# KiCad board Duet3_MB_6HC.kicad_pcb (continued)
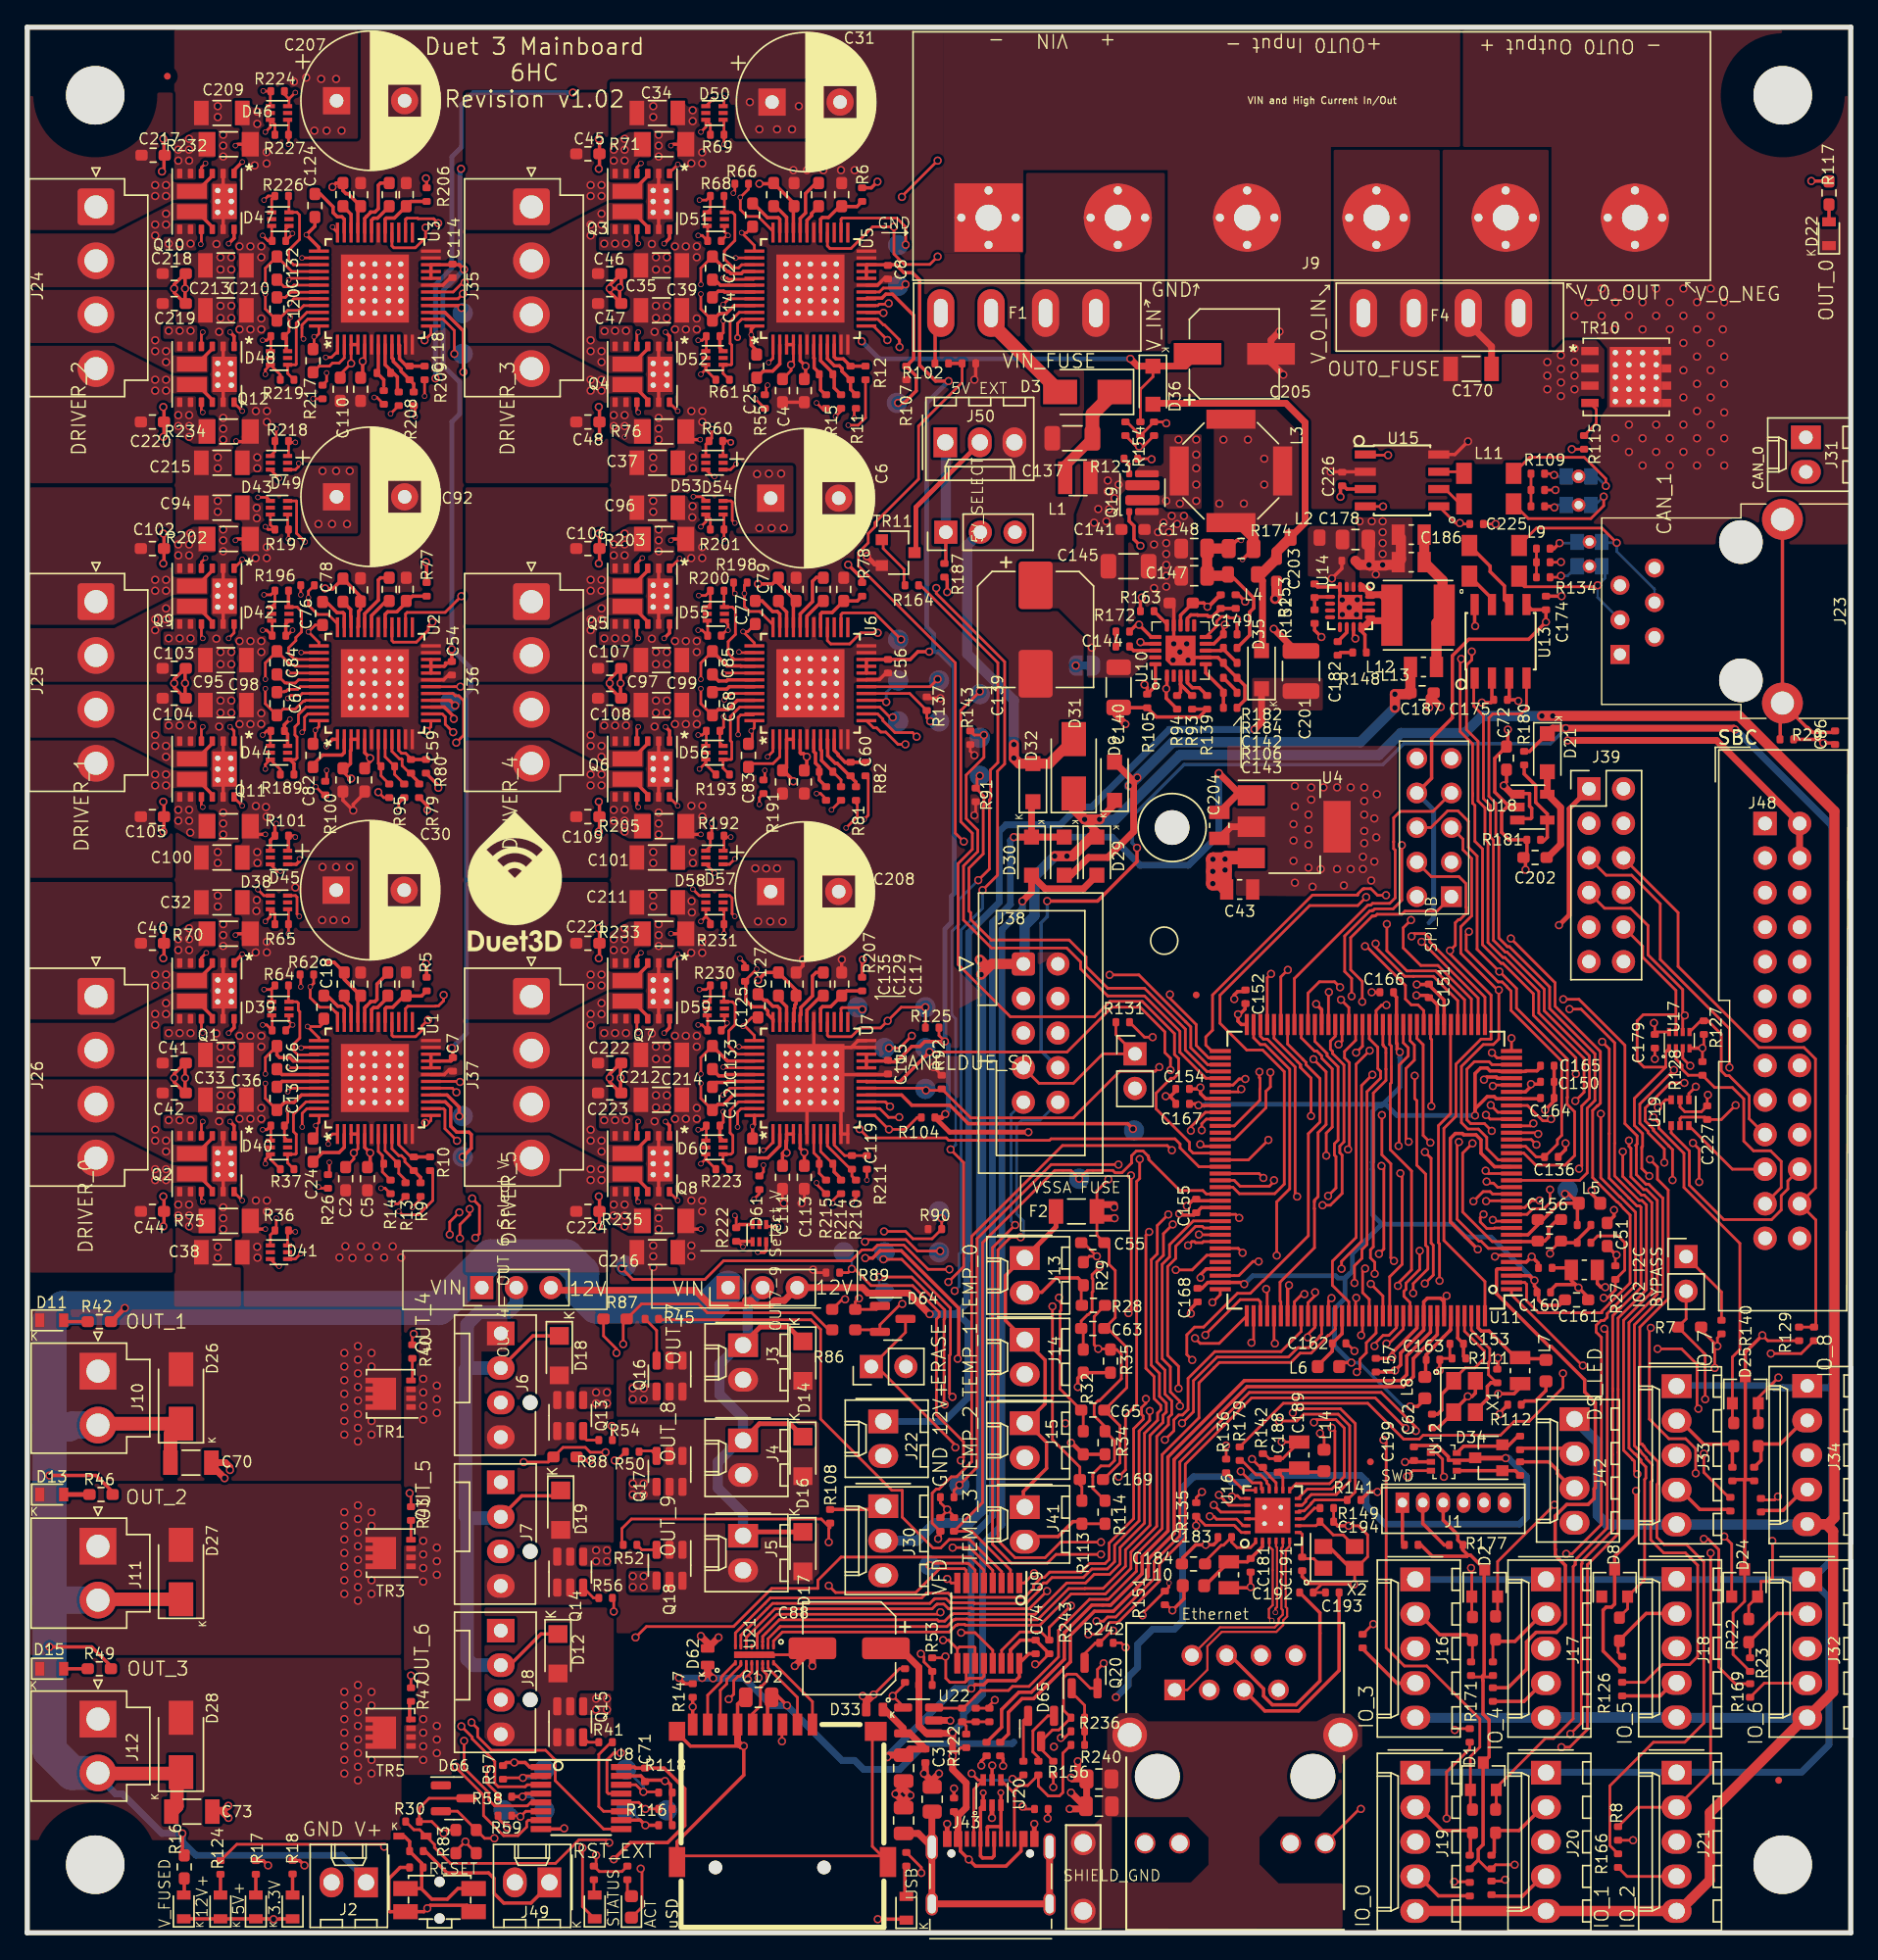
[diagram p0: board, top side]
## Nets (continued)
/Stepper Driver & Endstops/D2_CA1: C132.2 U3.42
/Stepper Driver & Endstops/D2_CA2: C124.2 U3.35
/Stepper Driver & Endstops/D2_CB1: C130.2 U3.2
/Stepper Driver & Endstops/D2_CB2: C120.2 U3.43
/Stepper Driver & Endstops/D2_CPI: C128.2 U3.31
/Stepper Driver & Endstops/D2_CPO: C128.1 U3.32
/Stepper Driver & Endstops/D2_HA1: D47.4 R225.1 U3.41
/Stepper Driver & Endstops/D2_HA2: D46.6 R224.1 U3.36
/Stepper Driver & Endstops/D2_HAG1: D47.3 Q10.12 R225.2
/Stepper Driver & Endstops/D2_HAG2: D46.1 Q10.1 R224.2
/Stepper Driver & Endstops/D2_HB1: D49.4 R217.1 U3.1
/Stepper Driver & Endstops/D2_HB2: D48.6 R216.1 U3.44
/Stepper Driver & Endstops/D2_HBG1: D49.3 Q12.12 R217.2
/Stepper Driver & Endstops/D2_HBG2: D48.1 Q12.1 R216.2
/Stepper Driver & Endstops/D2_LA1: D47.6 R226.1 U3.39
/Stepper Driver & Endstops/D2_LA2: D46.4 R227.1 U3.38
/Stepper Driver & Endstops/D2_LAG1: D47.1 Q10.9 R226.2
/Stepper Driver & Endstops/D2_LAG2: D46.3 Q10.4 R227.2
/Stepper Driver & Endstops/D2_LB1: D49.6 R218.1 U3.47
/Stepper Driver & Endstops/D2_LB2: D48.4 R219.1 U3.46
/Stepper Driver & Endstops/D2_LBG1: D49.1 Q12.9 R218.2
/Stepper Driver & Endstops/D2_LBG2: D48.3 Q12.4 R219.2
/Stepper Driver & Endstops/D2_SRAG: NT12.1 R213.2
/Stepper Driver & Endstops/D2_SRAH: C122.2 R212.1 U3.8
/Stepper Driver & Endstops/D2_SRAL: C122.1 R213.1 U3.7
/Stepper Driver & Endstops/D2_SRAT: Q10.5 Q10.6 Q10.7 Q10.8 R212.2 R232.2
/Stepper Driver & Endstops/D2_SRBG: NT14.1 R209.2
/Stepper Driver & Endstops/D2_SRBH: C118.2 R208.1 U3.9
/Stepper Driver & Endstops/D2_SRBL: C118.1 R209.1 U3.10
/Stepper Driver & Endstops/D2_SRBT: Q12.5 Q12.6 Q12.7 Q12.8 R208.2 R234.2
/Stepper Driver & Endstops/D2_VCC: C116.2 R206.2 U3.29
/Stepper Driver & Endstops/D2_VCP: C126.1 U3.34
/Stepper Driver & Endstops/D3_5VOUT: C6.2 R6.1 U5.5
/Stepper Driver & Endstops/D3__SRBL: C12.1 R12.1 U5.10
/Stepper Driver & Endstops/D3_CA1: C27.2 U5.42
/Stepper Driver & Endstops/D3_CA2: C19.2 U5.35
/Stepper Driver & Endstops/D3_CB1: C25.2 U5.2
/Stepper Driver & Endstops/D3_CB2: C14.2 U5.43
/Stepper Driver & Endstops/D3_CPI: C23.2 U5.31
/Stepper Driver & Endstops/D3_CPO: C23.1 U5.32
/Stepper Driver & Endstops/D3_HA1: D51.4 R67.1 U5.41
/Stepper Driver & Endstops/D3_HA2: D50.6 R66.1 U5.36
/Stepper Driver & Endstops/D3_HAG1: D51.3 Q3.12 R67.2
/Stepper Driver & Endstops/D3_HAG2: D50.1 Q3.1 R66.2
/Stepper Driver & Endstops/D3_HB1: D53.4 R55.1 U5.1
/Stepper Driver & Endstops/D3_HB2: D52.6 R38.1 U5.44
/Stepper Driver & Endstops/D3_HBG1: D53.3 Q4.12 R55.2
/Stepper Driver & Endstops/D3_HBG2: D52.1 Q4.1 R38.2
/Stepper Driver & Endstops/D3_LA1: D51.6 R68.1 U5.39
/Stepper Driver & Endstops/D3_LA2: D50.4 R69.1 U5.38
/Stepper Driver & Endstops/D3_LAG1: D51.1 Q3.9 R68.2
/Stepper Driver & Endstops/D3_LAG2: D50.3 Q3.4 R69.2
/Stepper Driver & Endstops/D3_LB1: D53.6 R60.1 U5.47
/Stepper Driver & Endstops/D3_LB2: D52.4 R61.1 U5.46
/Stepper Driver & Endstops/D3_LBG1: D53.1 Q4.9 R60.2
/Stepper Driver & Endstops/D3_LBG2: D52.3 Q4.4 R61.2
/Stepper Driver & Endstops/D3_SRAG: NT6.1 R19.2
/Stepper Driver & Endstops/D3_SRAH: C17.2 R15.1 U5.8
/Stepper Driver & Endstops/D3_SRAL: C17.1 R19.1 U5.7
/Stepper Driver & Endstops/D3_SRAT: Q3.5 Q3.6 Q3.7 Q3.8 R15.2 R71.2
/Stepper Driver & Endstops/D3_SRBG: NT8.1 R12.2
/Stepper Driver & Endstops/D3_SRBH: C12.2 R11.1 U5.9
/Stepper Driver & Endstops/D3_SRBT: Q4.5 Q4.6 Q4.7 Q4.8 R11.2 R76.2
/Stepper Driver & Endstops/D3_VCC: C10.2 R6.2 U5.29
/Stepper Driver & Endstops/D3_VCP: C21.1 U5.34
/Stepper Driver & Endstops/D4_5VOUT: C53.2 R78.1 U6.5
/Stepper Driver & Endstops/D4__HAG1: D55.3 Q5.12 R199.2
/Stepper Driver & Endstops/D4_CA1: C85.2 U6.42
/Stepper Driver & Endstops/D4_CA2: C77.2 U6.35
/Stepper Driver & Endstops/D4_CB1: C83.2 U6.2
/Stepper Driver & Endstops/D4_CB2: C68.2 U6.43
/Stepper Driver & Endstops/D4_CPI: C81.2 U6.31
/Stepper Driver & Endstops/D4_CPO: C81.1 U6.32
/Stepper Driver & Endstops/D4_HA1: D55.4 R199.1 U6.41
/Stepper Driver & Endstops/D4_HA2: D54.6 R198.1 U6.36
/Stepper Driver & Endstops/D4_HAG2: D54.1 Q5.1 R198.2
/Stepper Driver & Endstops/D4_HB1: D57.4 R191.1 U6.1
/Stepper Driver & Endstops/D4_HB2: D56.6 R190.1 U6.44
/Stepper Driver & Endstops/D4_HBG1: D57.3 Q6.12 R191.2
/Stepper Driver & Endstops/D4_HBG2: D56.1 Q6.1 R190.2
/Stepper Driver & Endstops/D4_LA1: D55.6 R200.1 U6.39
/Stepper Driver & Endstops/D4_LA2: D54.4 R201.1 U6.38
/Stepper Driver & Endstops/D4_LAG1: D55.1 Q5.9 R200.2
/Stepper Driver & Endstops/D4_LAG2: D54.3 Q5.4 R201.2
/Stepper Driver & Endstops/D4_LB1: D57.6 R192.1 U6.47
/Stepper Driver & Endstops/D4_LB2: D56.4 R193.1 U6.46
/Stepper Driver & Endstops/D4_LBG1: D57.1 Q6.9 R192.2
/Stepper Driver & Endstops/D4_LBG2: D56.3 Q6.4 R193.2
/Stepper Driver & Endstops/D4_SRAG: NT9.1 R98.2
/Stepper Driver & Endstops/D4_SRAH: C75.2 R97.1 U6.8
/Stepper Driver & Endstops/D4_SRAL: C75.1 R98.1 U6.7
/Stepper Driver & Endstops/D4_SRAT: Q5.5 Q5.6 Q5.7 Q5.8 R97.2 R203.2
/Stepper Driver & Endstops/D4_SRBG: NT10.1 R82.2
/Stepper Driver & Endstops/D4_SRBH: C60.2 R81.1 U6.9
/Stepper Driver & Endstops/D4_SRBL: C60.1 R82.1 U6.10
/Stepper Driver & Endstops/D4_SRBT: Q6.5 Q6.6 Q6.7 Q6.8 R81.2 R205.2
/Stepper Driver & Endstops/D4_VCC: C58.2 R78.2 U6.29
/Stepper Driver & Endstops/D4_VCP: C79.1 U6.34
/Stepper Driver & Endstops/D5_5VOUT: C113.2 R207.1 U7.5
/Stepper Driver & Endstops/D5_CA1: C133.2 U7.42
/Stepper Driver & Endstops/D5_CA2: C125.2 U7.35
/Stepper Driver & Endstops/D5_CB1: C131.2 U7.2
/Stepper Driver & Endstops/D5_CB2: C121.2 U7.43
/Stepper Driver & Endstops/D5_CPI: C129.2 U7.31
/Stepper Driver & Endstops/D5_CPO: C129.1 U7.32
/Stepper Driver & Endstops/D5_HA1: D59.4 R229.1 U7.41
/Stepper Driver & Endstops/D5_HA2: D58.6 R228.1 U7.36
/Stepper Driver & Endstops/D5_HAG1: D59.3 Q7.12 R229.2
/Stepper Driver & Endstops/D5_HAG2: D58.1 Q7.1 R228.2
/Stepper Driver & Endstops/D5_HB1: D61.4 R221.1 U7.1
/Stepper Driver & Endstops/D5_HB2: D60.6 R220.1 U7.44
/Stepper Driver & Endstops/D5_HBG1: D61.3 Q8.12 R221.2
/Stepper Driver & Endstops/D5_HBG2: D60.1 Q8.1 R220.2
/Stepper Driver & Endstops/D5_LA1: D59.6 R230.1 U7.39
/Stepper Driver & Endstops/D5_LA2: D58.4 R231.1 U7.38
/Stepper Driver & Endstops/D5_LAG1: D59.1 Q7.9 R230.2
/Stepper Driver & Endstops/D5_LAG2: D58.3 Q7.4 R231.2
/Stepper Driver & Endstops/D5_LB1: D61.6 R222.1 U7.47
/Stepper Driver & Endstops/D5_LB2: D60.4 R223.1 U7.46
/Stepper Driver & Endstops/D5_LBG1: D61.1 Q8.9 R222.2
/Stepper Driver & Endstops/D5_LBG2: D60.3 Q8.4 R223.2
/Stepper Driver & Endstops/D5_SRAG: NT11.1 R215.2
/Stepper Driver & Endstops/D5_SRAH: C123.2 R214.1 U7.8
/Stepper Driver & Endstops/D5_SRAL: C123.1 R215.1 U7.7
/Stepper Driver & Endstops/D5_SRAT: Q7.5 Q7.6 Q7.7 Q7.8 R214.2 R233.2
/Stepper Driver & Endstops/D5_SRBG: NT13.1 R211.2
/Stepper Driver & Endstops/D5_SRBH: C119.2 R210.1 U7.9
/Stepper Driver & Endstops/D5_SRBL: C119.1 R211.1 U7.10
/Stepper Driver & Endstops/D5_SRBT: Q8.5 Q8.6 Q8.7 Q8.8 R210.2 R235.2
/Stepper Driver & Endstops/D5_VCC: C117.2 R207.2 U7.29
/Stepper Driver & Endstops/D5_VCP: C127.1 U7.34
CAN0_H: J31.1 JP3.2 L11.3
CAN0_L: J31.2 JP6.2 L11.2
CAN1_H: J23.3 JP8.2 L9.2
CAN1_L: J23.4 JP7.2 L9.3
CANRX0: U11.31 U15.4
CANRX1: U11.17 U13.4
CANTX0: U11.26 U15.1
CANTX1: U11.92 U13.1
CC1: J43.A5 R183.2 R238.2 U20.6
CC2: J43.B5 R144.2 R240.2 U20.4
DN: J43.A7 J43.B7 R121.1 U20.1
DP: J43.A6 J43.B6 R120.1 U20.3
DRIVER_0_A1: C26.1 C41.2 J26.2 Q1.10 Q1.15 U1.40
DRIVER_0_A2: C18.1 C40.2 J26.1 Q1.3 Q1.13 U1.37
DRIVER_0_B1: C24.1 C44.2 J26.4 Q2.10 Q2.15 U1.48
DRIVER_0_B2: C13.1 C42.2 J26.3 Q2.3 Q2.13 U1.45
DRIVER_0_DIAG0: TP3.1 U1.26 U11.108
DRIVER_0_DIR: TP2.1 U1.18 U11.109
DRIVER_0_SDO: TP18.1 U1.16 U2.15
DRIVER_0_STEP: R89.1 TP1.1 U1.17 U11.111
DRIVER_1_A1: C84.1 C103.2 J25.2 Q9.10 Q9.15 U2.40
DRIVER_1_A2: C76.1 C102.2 J25.1 Q9.3 Q9.13 U2.37
DRIVER_1_B1: C82.1 C105.2 J25.4 Q11.10 Q11.15 U2.48
DRIVER_1_B2: C67.1 C104.2 J25.3 Q11.3 Q11.13 U2.45
DRIVER_1_DIAG0: TP6.1 U2.26 U11.103
DRIVER_1_DIR: TP5.1 U2.18 U11.101
DRIVER_1_SDO: TP19.1 U2.16 U3.15
DRIVER_1_STEP: R90.1 TP4.1 U2.17 U11.100
DRIVER_2_A1: C132.1 C218.2 J24.2 Q10.10 Q10.15 U3.40
DRIVER_2_A2: C124.1 C217.2 J24.1 Q10.3 Q10.13 U3.37
DRIVER_2_B1: C130.1 C220.2 J24.4 Q12.10 Q12.15 U3.48
DRIVER_2_B2: C120.1 C219.2 J24.3 Q12.3 Q12.13 U3.45
DRIVER_2_DIAG0: TP29.1 U3.26 U11.88
DRIVER_2_DIR: R143.2 TP28.1 U3.18 U11.77
DRIVER_2_SDO: TP20.1 U3.16 U5.15
DRIVER_2_STEP: R91.1 TP17.1 U3.17 U11.76
DRIVER_3_A1: C27.1 C46.2 J35.2 Q3.10 Q3.15 U5.40
DRIVER_3_A2: C19.1 C45.2 J35.1 Q3.3 Q3.13 U5.37
DRIVER_3_B1: C25.1 C48.2 J35.4 Q4.10 Q4.15 U5.48
DRIVER_3_B2: C14.1 C47.2 J35.3 Q4.3 Q4.13 U5.45
DRIVER_3_DIAG0: TP32.1 U5.26 U11.39
DRIVER_3_DIR: TP31.1 U5.18 U11.37
DRIVER_3_SDO: TP21.1 U5.16 U6.15
DRIVER_3_STEP: R107.1 TP30.1 U5.17 U11.38
DRIVER_4_A1: C85.1 C107.2 J36.2 Q5.10 Q5.15 U6.40
DRIVER_4_A2: C77.1 C106.2 J36.1 Q5.3 Q5.13 U6.37
DRIVER_4_B1: C83.1 C109.2 J36.4 Q6.10 Q6.15 U6.48
DRIVER_4_B2: C68.1 C108.2 J36.3 Q6.3 Q6.13 U6.45
DRIVER_4_DIAG0: TP35.1 U6.26 U11.2
DRIVER_4_DIR: TP34.1 U6.18 U11.40
DRIVER_4_SDO: TP22.1 U6.16 U7.15
DRIVER_4_STEP: R137.1 TP33.1 U6.17 U11.41
DRIVER_5_A1: C133.1 C222.2 J37.2 Q7.10 Q7.15 U7.40
DRIVER_5_A2: C125.1 C221.2 J37.1 Q7.3 Q7.13 U7.37
DRIVER_5_B1: C131.1 C224.2 J37.4 Q8.10 Q8.15 U7.48
DRIVER_5_B2: C121.1 C223.2 J37.3 Q8.3 Q8.13 U7.45
DRIVER_5_DIAG0: TP38.1 U7.26 U11.90
DRIVER_5_DIR: TP37.1 U7.18 U11.84
DRIVER_5_STEP: R92.1 TP36.1 U7.17 U11.86
DRIVER_CS: R104.1 TP24.1 U1.13 U2.13 U3.13 U5.13 U6.13 U7.13 U11.74
DRIVER_ENN: R125.1 TP23.1 U1.28 U2.28 U3.28 U5.28 U6.28 U7.28 U11.75
DS_LED_CK_BUFF: J42.3 R185.1
DS_LED_DO_BUFF: J42.2 R186.1
ERASE: JP2.2 U11.87
ESP_DATA_RDY: J39.8 U11.93
ESP_EN: J39.10 U11.97 U17.1 U17.7
GMDC: U11.113 U16.11
GMDIO: R141.2 U11.110 U16.10
GRX0: U11.125 U16.13
GRX1: U11.121 U16.12
GRXDV: R142.1 U11.126 U16.15
GRXER: U11.119 U16.17
GTX0: U11.131 U16.20
GTX1: U11.128 U16.21
GTXCK: R179.1 U11.1
GTXEN: U11.132 U16.19
HSDM: R121.2 U11.136
HSDP: R120.2 U11.137
IO_0: D1.1 R1.1 U11.52
IO_0_IN: J19.2 J38.9 R1.2 R2.1
IO_0_OUT: J19.4 J38.10 R168.2
IO_1: D1.2 R3.1 U11.106
IO_1_IN: J20.2 R3.2 R4.1
IO_1_OUT: J20.4 R170.2
IO_2: D24.1 R7.1 R140.2 U11.71
IO_2_IN: J21.2 JP5.2 R7.2 R8.1
IO_2_OUT: J21.4 R166.2
IO_3: D2.1 R157.1 U11.28
IO_3_IN: J16.2 R157.2 R158.1
IO_3_OUT: J16.4 R165.2
IO_4: D2.2 R159.1 U11.34
IO_4_IN: J17.2 R159.2 R160.1
IO_4_OUT: J17.4 R171.1
IO_5: D8.2 R161.1 U11.23
IO_5_IN: J18.2 R161.2 R162.1
IO_5_OUT: J18.4 R126.2
IO_6: D24.2 R22.1 U11.24
IO_6_IN: J32.2 R22.2 R23.1
IO_6_OUT: J32.4 R169.2
IO_7: D25.1 R24.1 U11.25
IO_7_IN: J33.2 R24.2 R72.1
IO_7_OUT: J33.4 R173.1
IO_8: D25.2 R73.1 U11.10
IO_8_IN: J34.2 R73.2 R74.1
IO_8_OUT: J34.4 R167.2
MCCDA: U11.112 U21.6
MCCK: U11.59 U21.3
MCDA0: U11.116 U21.7
MCDA1: U11.118 U21.8
MCDA2: U11.62 U21.1
MCDA3: U11.70 U21.2
O4_TACHO: D64.2 R86.2 U11.48
O5_TACHO: D64.1 R85.2 U11.57
O6_TACHO: D66.2 R84.2 U11.99
OUT_0: R53.2 U9.10 U9.12 U11.35
OUT_0_BUFF: R115.2 U9.9 U9.11
OUT_0_NEG: D22.1 J9.6 TR10.5
OUT_1: R57.2 TP8.1 U8.2 U11.56
OUT_1_BUFF: R40.2 U8.3
OUT_1_NEG: D11.1 D26.2 J10.1 TR1.5
OUT_2: R58.2 TP9.1 U8.4 U11.45
OUT_2_BUFF: R43.2 U8.5
OUT_2_NEG: D13.1 D27.2 J11.1 TR3.5
OUT_3: R59.2 TP10.1 U8.6 U11.64
OUT_3_BUFF: R47.2 U8.7
OUT_3_NEG: D15.1 D28.2 J12.1 TR5.5
OUT_4: R39.2 TP11.1 U8.10 U11.49
OUT_4_BUFF: R54.2 U8.9
OUT_4_NEG: D18.2 J6.4 Q13.1 Q13.2 Q13.5 Q13.6
OUT_4_TACHO: J6.3 R86.1 R87.1
OUT_5: R118.2 TP12.1 U8.14 U11.58
OUT_5_BUFF: R56.2 U8.13
OUT_5_NEG: D19.2 J7.4 Q14.1 Q14.2 Q14.5 Q14.6
OUT_5_TACHO: J7.3 R85.1 R88.1
OUT_6: R116.2 TP13.1 U8.12 U11.36
OUT_6_BUFF: R41.2 U8.11
OUT_6_NEG: D12.2 J8.4 Q15.1 Q15.2 Q15.5 Q15.6
OUT_6_TACHO: J8.3 R83.1 R84.1
OUT_7: R44.2 TP14.1 U9.2 U11.94
OUT_7_BUFF: R45.2 U9.3
OUT_7_NEG: D14.2 J3.2 Q16.1 Q16.2 Q16.5 Q16.6
OUT_8: R48.2 TP15.1 U9.4 U11.82
OUT_8_BUFF: R50.2 U9.5
OUT_8_NEG: D16.2 J4.2 Q17.1 Q17.2 Q17.5 Q17.6
OUT_9: R51.2 TP16.1 U9.6 U11.68
OUT_9_BUFF: R52.2 R108.1 U9.7
OUT_9_NEG: D17.2 J5.2 Q18.1 Q18.2 Q18.5 Q18.6
PD_SD_CD: J38.7 JP4.1 R131.2 U11.55
PHY_RESET: J46.12 R135.1 U11.98 U16.24
PS_ON: R243.2 U9.14 U11.66
PS_ON_BUFF: R164.2 U9.13
PS_ON_SW: J50.2 TR11.3
QMOSI: U11.42 U12.1
QSCK: U11.51 U12.3
RESET: D20.2 J1.4 J1.5 R30.1 U11.83
RESET_EXT: J49.1 R31.1
RXD0: J28.6 J38.6 U11.21
RXD1: TP25.1 U7.16 U11.32
SBC_3.3V: C227.1 J48.17 U19.5
SCK0: J28.4 J38.4 U11.144
SCK1: TP27.1 U1.14 U2.14 U3.14 U5.14 U6.14 U7.14 U11.46
SD_CD: U11.129 U21.4
SPI1_DATA_RDY: J39.4 U11.7 U19.3
SPI1_DATA_RDY_BUFF: J48.22 U19.4
SPI1_MISO: J39.5 U11.13 U19.1
SPI1_MISO_BUFF: J48.21 U19.6
SPI1_MOSI: J48.19 R127.1 U17.5
SPI1_MOSI_BUFF: J39.3 U11.12 U17.3
SPI1_NPCS0: J39.6 J48.24 R129.2 R239.1
SPI1_SPCK: J48.23 R128.1 U17.2
SPI1_SPCK_BUFF: J39.7 U11.130 U17.6
spi1cs0: R239.2 U11.133
SWCLK: D63.1 J1.2 R177.1 U11.89
SWDIO: D7.1 J1.1 R178.1 U11.79
TEMP_0: C55.1 R29.2 U11.18
TEMP_1: C63.1 R32.2 U11.16
TEMP_2: C65.1 R33.2 U11.15
TEMP_3: C169.1 R113.2 U11.14
THERMISTOR_0: J13.2 R28.2 R29.1
THERMISTOR_1: J14.2 R32.1 R35.2
THERMISTOR_2: J15.2 R33.1 R34.2
THERMISTOR_3: J41.2 R113.1 R114.2
TXD0: J28.5 J38.5 U11.20
TXD1: TP26.1 U1.15 U11.105
U0_CS0: J28.3 U11.73
U0_CS1: J28.1 U11.114
U0_CS2: J28.7 U11.65
U0_CS3: J28.9 U11.124
U0_CS4: J38.3 U11.60
URXD4: J39.11 U11.69
USB_PWR_EN: R138.1 U11.54 U22.4
USB_STATE: D65.3 Q20.2 R236.1 R241.1 U11.120
USB_UFP_DETECT: Q20.3 R242.1 U11.117
UTXD4: J39.9 U11.67
V_FUSED: C20.2 C21.2 C28.1 C29.1 C30.1 C31.1 C32.2 C33.2 C34.2 C35.2 C36.2 C37.2 C38.2 C39.2 C70.1 C73.1 C78.2 C79.2 C87.1 C91.1 C92.1 C93.1 C94.2 C95.2 C96.2 C97.2 C98.2 C99.2 C100.2 C101.2 C126.2 C127.2 C134.1 C135.1 C207.1 C208.1 C209.2 C210.2 C211.2 C212.2 C213.2 C214.2 C215.2 C216.2 D3.2 D26.1 D27.1 D28.1 F1.1 J2.1 J10.2 J11.2 J12.2 J29.1 J52.1 Q1.2 Q1.11 Q1.14 Q2.2 Q2.11 Q2.14 Q3.2 Q3.11 Q3.14 Q4.2 Q4.11 Q4.14 Q5.2 Q5.11 Q5.14 Q6.2 Q6.11 Q6.14 Q7.2 Q7.11 Q7.14 Q8.2 Q8.11 Q8.14 Q9.2 Q9.11 Q9.14 Q10.2 Q10.11 Q10.14 Q11.2 Q11.11 Q11.14 Q12.2 Q12.11 Q12.14 R16.1 R42.2 R46.2 R49.2 R102.1 U1.33 U2.33 U3.33 U5.33 U6.33 U7.33
V_IN: F1.2 J9.2
V_OUT0_IN: F4.1 J9.4
V_OUT0_OUT: C170.1 F4.2 J9.5 R117.2
V_OUTLC1: D12.1 D18.1 D19.1 J6.2 J7.2 J8.2 J52.2
V_OUTLC2: D14.1 D16.1 D17.1 J3.1 J4.1 J5.1 J29.2
VREF_MON: C200.1 R28.1 R34.1 R35.1 R114.1 R175.2 R176.1 U11.11
VREFN: C55.2 C63.2 C65.2 C156.2 C169.2 C200.2 F2.2 NT1.1 NT2.1 U11.8
VREFP: C156.1 L5.2 R175.1 TP39.1 U11.9
~{FLG}: R244.2 U11.122 U22.3
Net-(C144-Pad2): C144.2 R172.1
Net-(C182-Pad1): C182.1 R148.1
Net-(C192-Pad1): C192.1 J46.4
Net-(C193-Pad1): C193.1 J46.5
Net-(D4-Pad2): D4.2 R16.2
Net-(D5-Pad2): D5.2 R17.2
Net-(D6-Pad2): D6.2 R18.2
Net-(D7-Pad2): D7.2 R21.2
Net-(D11-Pad2): D11.2 R42.1
Net-(D13-Pad2): D13.2 R46.1
Net-(D15-Pad2): D15.2 R49.1
Net-(D22-Pad2): D22.2 R117.1
Net-(D23-Pad2): D23.2 R130.2
Net-(D37-Pad2): D37.2 R124.2
Net-(D63-Pad2): D63.2 R132.2
Net-(JP5-Pad1): JP5.1 R140.1
Net-(L7-Pad2): L7.2 R112.2
Net-(R136-Pad2): R136.2 U16.18

Pads without a net: D8 1; D38 2 5; D39 2 5; D40 2 5; D41 2 5; D42 2 5; D43 2 5; D44 2 5; D45 2 5; D46 2 5; D47 2 5; D48 2 5; D49 2 5; D50 2 5; D51 2 5; D52 2 5; D53 2 5; D54 2 5; D55 2 5; D56 2 5; D57 2 5; D58 2 5; D59 2 5; D60 2 5; D61 2 5; D66 1; J23 1 2 5 6; J28 10; J43 A8 B8; J46 7; J48 1 3 5 7 8 10 11 12 13 15 16 18 26; U1 25 27; U2 25 27; U3 25 27; U5 25 27; U6 25 27; U7 25 27; U10 2 5 11; U14 6 7 8 9; U21 5

## Via types
v1: diameter 0.6, hole 0.4, Top to Bottom, 1418 vias
v2: diameter 0.4, hole 0.3, Top to Bottom, 246 vias
v3: diameter 0.5, hole 0.3, Top to Bottom, 4 vias

## Routing (per net, layer and track width the routed paths; a pad name or vN(x,y) marks a point on that pad's centre or on a via; arc(x,y) is an arc through that point)
3.3V_EXT: length 225.9
  Top w0.25: v1(81.55,79.71) 81.55,78.7 78.65,75.8 v1(74.95,75.8) ; R180.1 110.4,86.8 D21.1
  Top w0.5: v1(125.5,88.4) 125.4,88.5 112.1,88.5 D21.1
  Bottom w0.25: v1(113.06,88.5) 111.93,87.37 101.16,87.37 99.61,85.82 85.01,85.82 81.2,82.01 81.2,80.06 v1(81.55,79.71) ; v1(74.95,75.8) 74.95,74.66 74.5,74.21 74.5,64.8 J38.8
  Bottom w0.5: 130.8,26 131.2,26 132.6,27.4 132.6,40.2 ; 130.8,26 131.03,26 132.4,24.63 132.4,13.82 130.38,11.8 102,11.8 ; 130.8,26 130.75,25.95 102.05,25.95 102,26 ; 132.6,40.2 132.45,40.05 129.02,40.05 129.02,40.04 128.37,40.04 128.21,40.2 121.2,40.2 ; 132.6,40.2 132.6,81.34 125.54,88.4 v1(125.5,88.4)
5V_EXT: length 337.5
  Top w0.25: R187.1 67.6,99.4 v1(67.6,98.5)
  Top w0.5: 130.8,15.97 123.65,8.82 ; 76.9,82.6 78.6,80.9 D29.1 ; D9.1 79.9,82.9 v1(78.8,81.8) ; v1(111.3,89.4) v1(112.1,89.4)
  Top w0.75: v1(78.8,81.8) v1(77.7,81.8) 76.9,82.6 D31.1 ; D29.1 78.2,80.5 76.8,79.1 v1(75.5,79.1) ; v1(111.3,89.4) 125.79,89.4 132.8,82.39 132.8,30.5 132.32,30.02 J34.5 132.18,30.02 132.7,29.5 132.7,17.7 J32.5 130.63,15.8 123.65,8.82 123.65,3.86 121.39,1.6 J21.5 J20.5 J19.5 ; 70.32,71.18 v1(70,71.5) ; J38.1 70.88,71.18 v1(70.1,70.4)
  In1.Cu w0.25: v1(77.7,81.8) 73.2,81.8 71.6,83.4 71.6,94.5 v1(67.6,98.5)
  Bottom w0.35: v1(70.1,70.4) 70.1,71.4
  Bottom w0.5: v1(111.3,89.4) 106.9,89.4
  Bottom w0.75: v1(112.1,89.4) 106.9,89.4 105.65,88.15 100.95,88.15 99.32,86.52 84.7,86.52 79.95,81.77 77.73,81.77 v1(77.7,81.8) ; J16.5 J17.5 111.62,15.82 J18.5 121.22,15.8 J32.5 ; J42.1 115.4,36.04 115.4,30.7 116.1,30 J33.5 130.78,30 J34.5 ; J30.2 65.4,28.8 66.7,30.1 69.2,30.1 70.1,31 70.1,71.4 v1(70,71.5) ; J38.1 73.3,71.28 73.3,74 74.02,74.72 74.02,77.62 v1(75.5,79.1) v1(76.4,79.1)
5V_EXT_INPUT: length 9
  Top w0.25: R187.2 67.5,100.7 JP9.1
  Bottom w0.75: J50.1 67.5,109.46 JP9.1
5V_INT: length 326.2
  Top w0.25: U15.3 96.97,106.07 96.62,106.42 ; U13.3 108.9,90.84 108.65,90.59 ; v1(109.57,90.5) 109.48,90.59 C175.1 ; 109.5,83.7 110.4,83.7 110.4,82.77 110.55,82.61 110.55,81.92 110.48,81.85 109.7,81.85 ; C199.1 102,35.8 103.6,35.8 104.43,34.97 104.43,34.72 106.22,34.72 D34.3 ; v1(43.1,5.4) 44.32,6.62 47.06,6.62 48.32,7.88 48.32,10.58 46.8,12.1 44.7,12.1 44.62,12.18 U8.16 ; v1(96.5,105.5) 96.5,106.18 C226.1 ; C74.1 73.6,20.5 U9.16 72.9,18.8 72.62,18.52 70.58,18.52 70.28,18.22 69.65,18.22 v1(69.37,17.95) ; v1(95.1,95.2) 94.6,95.7 R152.1 ; v1(17.7,4.95) 17.69,4.95 17.35,5.28 16.8,5.28 ; C72.1 108.7,84.55 108.46,84.31 108.48,84.29 v1(108.5,84.29)
  Top w0.35: v1(108.64,34.87) 106.43,34.87 D34.3
  Top w0.5: 73.8,82.8 D30.1 ; D30.1 v1(72.5,80.5) ; D30.1 D10.1 ; v1(87.56,85.2) 89.2,83.56 U4.1 88.84,83.56 C204.1 ; D33.1 63,16.4 64.36,15.04 U22.5 64.85,14.65 C3.1 64.85,13.5 C1.1 63.35,13.05 v1(63.2,12.9) ; 108.46,84.31 109.07,83.7 109.5,83.7
  In1.Cu w0.2: 106.4,88.19 108.71,90.5 v1(109.57,90.5)
  In1.Cu w0.25: v1(43.1,5.4) 42.55,4.85 41.51,4.85 41.21,5.15 21.45,5.15 20.63,4.33 18.32,4.33 v1(17.7,4.95)
  In1.Cu w0.5: 91.29,87.31 92.18,88.19 106.4,88.19 108.28,86.31 108.28,84.51 v1(108.5,84.29) ; 91.29,87.31 91.41,87.31 95.1,91 v1(95.1,95.2) 94.8,95.5 94.8,103.8 v1(96.5,105.5) ; 91.29,87.31 91.21,87.31 89.1,85.2 v1(87.56,85.2) ; v1(43.1,5.4) 44.7,3.8 54.1,3.8 v1(63.2,12.9) 64.2,13.9 70.9,13.9 74.3,17.3 v1(80,17.3)
  Bottom w0.5: v1(80,17.3) 80.9,18.2 80.9,18.8 81.6,19.5 81.6,21.2 82.7,22.3 84.3,22.3 84.9,22.9 84.9,32.7 85.7,33.5 88.1,33.5 88.5,33.1 89.6,33.1 90.1,33.6 98,33.6 98.4,33.2 98.4,31.4 99.77,30.03 109.67,30.03 110.16,30.52 110.16,33.55 108.84,34.87 v1(108.64,34.87) ; v1(63.2,12.9) 63.2,12.96 68.19,17.95 v1(69.37,17.95) 69.37,29.07 70.92,30.62 70.92,74.22 72.25,75.55 72.25,80.25 v1(72.5,80.5) 79.7,80.5 81.77,78.43 85.33,78.43 87.56,80.66 v1(87.56,85.2)
5V_SBC: length 85.9
  Top w0.5: J48.4 J48.2 124.14,87.6 v1(113.2,87.6)
  In1.Cu w0.5: v1(113.2,87.6) 113.2,87.1 109.6,83.5 107.96,83.5 106.19,85.27 106.19,86.97 105.67,87.49 92.59,87.49 89.57,84.47 87.89,84.47 87.87,84.45 87.25,84.45 87.23,84.47 82.87,84.47 81.5,83.1 77.9,83.1 72.58,88.42 JP9.3
12V_EXT: length 109.6
  Top w0.5: v1(66.31,45.45) 64.76,47 61.78,47 61.38,47.4 J29.3 55.63,46.45 54.93,46.45 54.58,46.1 53.5,46.1 53.15,46.45 52.8,46.45 52.8,46.1 50.2,46.1 49.1,47.2 38.68,47.2 J52.3 ; D35.1 90.7,88.93 v1(90.19,88.41)
  Bottom w0.5: v1(90.19,88.41) 83.91,88.41 78.2,82.7 77.2,82.7 75.9,81.4 71.92,81.4 71.43,80.91 71.43,75.72 69.18,73.46 69.18,49.54 69.04,49.4 69.04,46.25 68.24,45.45 v1(66.31,45.45) 68.42,45.45 69.12,44.75 69.12,39.3 67.39,37.57 62.8,37.57
12V_INT: length 30.3
  Top w0.5: 93,102.7 93.9,103.6 93.9,110.96 92.49,112.37 82.72,112.37 ; 90.4,99.7 90.77,99.33 90.77,94.27 D35.2
  Top w0.75: L4.1 90.65,99.8 ; 90.36,99.74 90.4,99.7 90.55,99.7 C203.2 91.8,101.46 L2.2
12V_MON: length 90.5
  Top w0.2: v1(107.54,60.81) 108.07,60.28 U11.27 ; v1(83.7,110.9) 83.6,111 C206.1 R154.2 80.8,111 R155.1
  In1.Cu w0.2: v1(107.54,60.81) 109.89,60.81 111.48,62.4 114.65,62.4 118.6,66.35 118.6,77 117.9,77.7 116.93,77.7 115.91,78.72 115.91,79.45 115.24,80.12 114.35,80.12 113.22,81.25 113.22,84.85 114.35,85.98 114.35,95.45 97,112.8 85.6,112.8 v1(83.7,110.9)
12V_VG: length 367.4
  Top w0.2: U5.4 56.3,115.37 v1(56.13,115.2) 56.13,114.78 C4.2 ; C2.2 24,56.85 v1(24,57.3) 24.3,57.6 U1.4 ; U3.3 v1(23.8,115.3) 23.05,114.55 23,114.55 ; R154.1 81.8,113.4 82.72,114.32 D36.1 ; v1(26.23,6.32) 26.06,6.5 15.4,6.5 R124.1 ; 55.8,85.1 v1(56.3,84.6) 56.3,84.7 55.6,85.4 ; v1(23.8,84.8) 23.7,84.8 23.2,85.3 23.2,85.35 ; U7.3 v1(55.8,57.31)
  Top w0.25: U5.3 U5.4 ; U2.4 U2.3 23.8,86.9 23.75,86.85 23.75,85.9 23.2,85.35 ; U3.3 U3.4 ; U1.4 U1.3 ; U7.4 U7.3 55.8,58.2 55.75,58.15 55.75,57.52 55.5,57.27 C111.2 ; U6.4 U6.3 55.8,85.6 55.6,85.4
  Top w0.5: v1(81.06,115.64) 81.6,115.1 85.1,115.1 C205.1
  In1.Cu w0.2: v1(26.23,6.32) 26.23,47.03 28.8,49.6 28.8,58.1 27.84,59.06 25.82,57.04 25.82,57.04 25.46,56.68 24.62,56.68 v1(24,57.3) ; 30.2,85.1 30.8,84.5 ; 30.2,85.1 29.6,84.5 24.1,84.5 v1(23.8,84.8) ; 30.2,85.1 28.67,86.63 28.67,88.6 28.67,88.61 28.67,98.88 ; v1(61.32,116.93) 58.87,114.48 56.85,114.48 v1(56.13,115.2) ; v1(23.8,115.3) 24.9,114.2 v1(30,114.2) ; 61.83,88.63 57.8,84.6 v1(56.3,84.6)
  In1.Cu w0.35: v1(55.8,57.31) 56.71,56.4 57.3,56.4 58.96,58.06 61.14,58.06 62.15,59.08 62.15,73.05 63.31,74.21 63.31,86.19 62.7,86.8 62.7,87.7 61.78,88.62 61.78,94.32 61.28,94.83 61.28,96.4 61.78,96.91 61.78,99.91 61,100.7 61,101.5 61.7,102.2 61.7,116.55 v1(61.32,116.93) 61.32,126.2 63.42,128.31 63.42,135.28 62.7,136 40.9,136 v1(40.1,135.2) ; 28.22,68.72 28.22,66.78 29.27,65.73 29.27,60.49 27.84,59.06 ; 28.3,68.8 30.88,71.38 30.88,84.42 28.67,86.63 28.67,98.88 31.1,101.31 31.1,113.1 v1(30,114.2)
  Bottom w0.35: v1(30,114.2) 30,121.1 31.2,122.3 31.2,130.48 31.91,131.19 31.91,134.31 32.8,135.2 v1(40.1,135.2) ; v1(61.32,116.93) 62.61,115.64 v1(81.06,115.64)
+3.3V: length 597.5
  Top w0.2: v1(73.14,9.27) 73.32,9.09 R150.1 ; U17.8 119.78,66.18 C179.1 119.6,66.78 v1(119.53,66.85) ; 107.7,18.8 107.02,18.8 106.95,18.87 106.88,18.8 106.1,18.8 ; R8.2 v1(118,6.8) ; 103.72,104.8 104.95,103.57 v1(105.27,103.57) 105.35,103.5 C225.1 ; v1(95,36.7) 95.3,36.4 95.3,35.55 ; R88.2 40.64,34.69 v1(41.37,34.69) ; R125.2 67,65.92 v1(67.43,65.49) ; R83.2 30.85,7.55 v1(30.6,7.3) 29.73,8.17 R30.2 28.81,9.16 29.53,9.88 D66.3 ; R132.1 43.7,4.5 42.04,4.5 R21.1 41.8,5.06 v1(41.8,5.7) ; R151.1 83.74,24.1 v1(84.15,23.69) ; R87.2 42.35,43.85 43.3,42.9 v1(43.3,42.6) ; R136.1 v1(88.1,35.8) ; D64.3 64.54,44.11 JP2.1 62.43,41.6 68.2,35.83 v1(68.2,35.66) ; D24.3 126.2,24.35 125.35,23.5 125.35,20.45 R23.2 ; v1(127.5,43.9) 127.9,43.5 R129.1 ; 106.62,5.35 107.27,4.7 R4.2 107.9,5 v1(109.3,5) ; v1(52.96,18.59) 52.96,18.87 53.24,19.15 U21.12 ; v1(82.7,65.8) 82.1,65.8 R131.1
  Top w0.25: U1.21 U1.22 ; U1.21 31.14,64.05 31.28,64.19 31.28,64.92 v1(31.2,65) ; U1.21 U1.20 ; U3.20 U3.21 U3.22 31.75,122.55 v1(32.1,122.2) ; U2.21 30.65,93.05 30.74,93.14 30.74,93.29 31.2,93.29 v1(31.2,94.3) ; U2.21 U2.22 ; U2.21 U2.20 ; U5.20 U5.21 U5.22 63.84,122.55 64.43,121.96 65.06,121.96 65.58,121.43 65.58,115.17 66.75,114 v1(67.7,114) ; U7.21 63.19,64.05 63.25,63.99 63.86,63.99 65,65.13 65.6,65.13 65.96,65.49 v1(67.43,65.49) ; U7.20 U7.22 ; U6.20 U6.21 U6.22 64.88,93.55 65.45,94.12 v1(66.28,94.12) ; 85.29,62 86.1,62 v1(86.21,62.1) 86.21,61.67 86.59,61.28 U11.80 ; U11.72 89.22,66.73 88.97,66.98 v1(88.97,67.48) 89.1,67.48 89.49,67.87 89.49,68.41 ; 106.95,18.62 106.95,18.87 107.06,18.98 107.06,26.66 D2.3 106.06,27.74 105.88,27.74 ; 126.2,33.3 126.25,33.35 D25.3 126.25,42.65 v1(127.5,43.9) ; 126.2,33.3 125.3,33.3 125.38,33.22 ; 126.2,33.3 126.8,33.3 R74.2 ; 126.2,33.3 D24.3 ; 105.88,27.74 105.48,28.13 105.48,28.49 105.12,28.85 105.12,29.24 104.05,30.31 J1.3 ; 105.88,27.74 105.8,27.66 103.25,27.66 102.41,28.5 102.19,28.5 ; R141.1 98.59,32.39 v1(99.22,32.39) ; U11.134 102.12,44.43 100.3,42.61 v1(100.3,42.3) 100.2,42.2 C157.1 ; v1(84.15,23.69) 85,24.54 85,25.35 ; C61.1 115.37,47.7 115.64,47.43 v1(115.96,47.43) ; U11.96 86.28,53.28 85.73,52.73 84.74,52.73 v1(84.65,52.83) ; v1(114.95,54.53) 114.95,54.3 115.65,53.6 ; U13.5 110.56,97.2 C174.1 v1(111.6,96.3) 110.33,95.03 105.93,95.03 104.72,93.82 104.72,89.26 103.2,87.74 103.2,84.83 J28.8 ; v1(47.89,18.73) 48.32,18.3 R147.2 ; 19.5,5.31 20.02,5.31 v1(20.37,4.95) ; 105.9,4.62 106.62,5.35 106.62,6.12 106.98,6.48 106.98,12.48 D1.3 107.42,12.92 107.42,15.63 106.98,16.07 106.98,18.52 106.95,18.55 ; R162.2 115.8,20.7 115.8,23.7 116.03,23.93 116.42,23.93 116.65,24.15 116.65,27.65 118.22,29.22 v1(118.22,32.46) ; U11.5 110.16,49.28 v1(110.55,49.68) 111.03,49.2 111.03,49.12 ; v1(108.2,38.1) 108.2,38.2 108.8,38.8 ; 111.31,62.52 111.14,62.35 v1(110.5,62.35) 110.5,62.19 110.09,61.78 U11.30 ; v1(102.11,69.67) 102.96,69.67 104.12,68.52 U11.43 ; v1(55.83,16.7) 55.13,17.4 54.7,17.4 54.4,17.1 J27.4
  Top w0.35: v1(73.57,58.82) 67.78,58.82 R104.2 67.21,59.9 v1(67.46,60.15) ; 114.76,84.04 113.3,82.58 113.3,74.77 v1(112.56,74.03)
  Top w0.5: v1(50.4,18.7) 50,19.1 D62.1 50,19.13 v1(49.6,18.73)
  Top w1: v1(88.02,78.88) 87.14,78.88 v1(87.13,78.87) 87.12,78.86 v1(87.12,77.98) v1(87.12,77.08) 87.71,77.08 88.11,76.68 88.02,76.77 v1(88.02,78.08) v1(88.02,78.88) ; v1(88.02,78.88) 88.13,78.99 89.92,78.99
  In1.Cu w0.2: v1(73.14,9.27) 73.14,11.37 v1(75.44,13.67) ; v1(68.2,35.66) 68.82,36.27 75.13,36.27 v1(76.29,37.43) ; v1(109.3,5) 109.81,5.51 116.71,5.51 v1(118,6.8)
  In1.Cu w0.25: 32.1,5.6 31.4,5.6 30.6,6.4 v1(30.6,7.3) 29,5.7 21.2,5.7 20.45,4.95 v1(20.37,4.95) ; 32.1,5.6 34.6,8.1 34.6,12.4 35.4,13.2 41.3,13.2 42.5,12 44.1,12 44.7,12.6 44.7,15.54 v1(47.89,18.73) ; 32.1,5.6 41.7,5.6 v1(41.8,5.7) ; v1(105.27,103.57) 106.8,102.05 106.8,101.1 v1(111.6,96.3) ; v1(41.37,34.69) 41.37,35.05 42.24,35.92 42.52,35.92 43.8,37.2 43.8,42.1 v1(43.3,42.6)
  In1.Cu w0.35: v1(47.89,18.73) 46.72,18.73 44.03,21.42 44.03,23.9 43.29,24.64 43.29,32.77 v1(41.37,34.69)
  In1.Cu w0.5: v1(67.7,114) 68.85,115.15 69.97,115.15 72.29,117.47 72.29,120.34 69.57,123.06 67.86,123.06 67.65,123.27 67.65,136.25 64.57,139.33 39.19,139.33 31.85,131.99 31.85,129.69 31.87,129.67 v1(31.87,129.6)
  Bottom w0.35: v1(67.46,60.15) 67.69,60.38 67.69,65.23 v1(67.43,65.49) 67.43,73.75 67.91,74.23 67.91,76.16 68.13,76.38 68.12,76.39 68.12,92.96 66.96,94.12 v1(66.28,94.12) 66.6,94.44 66.6,95.41 66.09,95.92 66.09,112.39 v1(67.7,114) ; v1(31.87,129.6) 31.8,129.52 31.8,122.5 v1(32.1,122.2) 30.55,120.65 30.55,115.15 31.77,113.93 31.77,111.57 31.2,111 v1(31.2,94.3) 32.62,92.88 32.62,91.37 32.28,91.03 32.28,66.08 v1(31.2,65) ; 103,74.2 103.35,74.55 103.35,82.5 J28.8
  Bottom w0.5: 72.5,14.01 72.39,13.9 66,13.9 64.1,12 61.47,12 60.81,12.66 59.87,12.66 v1(55.83,16.7) 54.7,16.7 52.7,18.7 v1(50.4,18.7) 49.63,18.7 v1(49.6,18.73) v1(47.89,18.73)
